# Altium PCB тройничок.PcbDoc (part 5 of 5)
Units mm, origin at the board's own origin, x right, y up, seen from the top; angles counter-clockwise.
Board outline 158.1 x 53.48 mm, 4 copper layers (Top Layer 1, Top Layer, Bottom Layer, Bottom Layer 1), stack 0.603 mm thick; 336 components, 130 nets, 2093 pads, 689 vias.
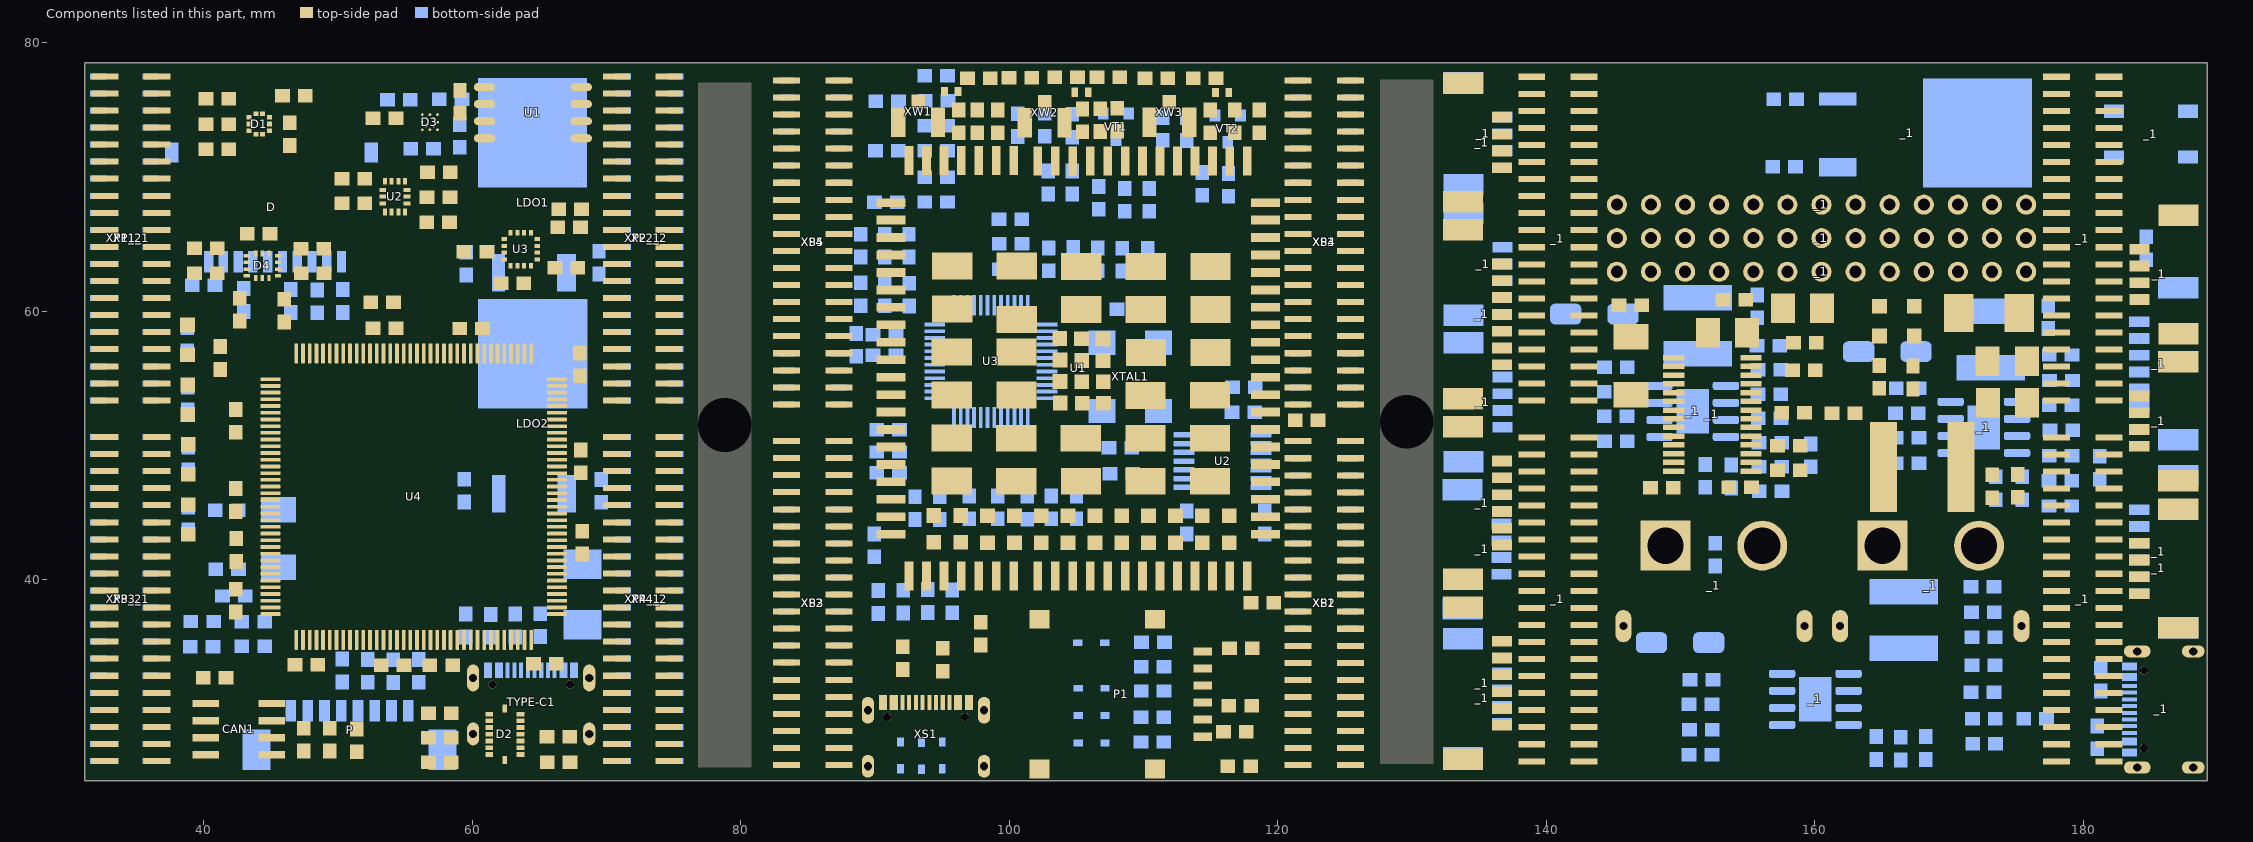
[diagram p7: the components of this part, seen from the top]

## Polygon pours and split planes (outlines as drawn) (continued)
no net on Bottom Layer 1 "NONET_L04_P050" (solid, remove dead copper, pour order 50): 169.025,58.725 169.225,58.525 176.5,58.525 176.5,59.55 176.6,59.65 180.275,59.65 180.275,61.55 180.2,61.625 169.05,61.625
no net on Bottom Layer 1 "NONET_L04_P049" (solid, remove dead copper, pour order 49): 174.075,52.625 174.15,52.7 176.55,52.7 176.55,57.975 176.475,58.05 165.675,58.05 165.675,55.6 165.625,55.55 165.65,55.525 167.025,55.525 167.025,53.6 167.075,53.55 168.8,53.55 168.8,54.125 168.825,54.15 173.85,54.15 173.85,52.725 173.8,52.675
no net on Bottom Layer 1 "NONET_L04_P048" (solid, remove dead copper, pour order 48): 156.675,47.3 156.7,47.275 156.7,45.85 152.15,45.85 152.15,45.15 159.325,45.15 159.325,47.3
no net on Bottom Layer 1 "NONET_L04_P046" (solid, remove dead copper, pour order 46): 150.25,47.75 150.25,45.2 150.225,45.175 150.25,45.15 152.825,45.15 152.825,47.75
no net on Bottom Layer 1 "NONET_L04_P045" (solid, remove dead copper, pour order 45): 148.325,62.175 148.4,62.1 148.4,59.4 148.6,59.6 154.75,59.6 154.75,60.35 154.775,60.375 154.8,60.35 156.25,60.35 156.25,62.152
no net on Bottom Layer 1 "NONET_L04_P044" (solid, remove dead copper, pour order 44): 143.5,61.275 143.325,61.1 143.325,57.55 145.15,57.55 145.25,57.45 145.25,55.1 152.25,55.1 152.275,55.125 152.3,55.1 152.3,53.875 154.75,53.875 154.75,58.65 154.426,59.15 148.15,59.15 148.15,61.15 148.125,61.175
GND on Bottom Layer 1 "GND_L04_P032" (solid, pour order 32): 76.141,25.185 31.241,25.185 31.241,78.185 31.341,78.085 76.141,78.085
NetTYPE-C1_2 on Bottom Layer 1 "NONET_L-01_P-001" (solid, remove dead copper, pour order 1): 66.412,34.362 66.412,39.262 66.4,39.275 66.425,39.3 70.125,39.3 70.125,34.45 70.125,33.975 70.1,34 66.9,34
5V on Bottom Layer 1 "NONET_L-01_P-001" (solid, remove dead copper, pour order 2): 70.125,39.8 70.125,46.625 68.625,46.625 68.625,48.5 65.475,48.5 65.5,48.475 65.5,39.8
NetTYPE-C1_2 on Bottom Layer 1 "NONET_L-01_P-001" (solid, remove dead copper, pour order 0): 61.6,34.35 61.6,31.025 67.25,31.025 67.25,34.375 66.4,34.375 66.425,34.35 66.425,33.1 62.375,33.1 62.375,34.35
5V on Bottom Layer 1 "NONET_L-01_P-001" (solid, remove dead copper, pour order 3): 66.075,64.85 66.075,61.5 68.75,61.5 68.75,49.725 65.525,49.725 65.525,47.9 66.125,48.5 70.125,48.5 70.125,63.5 68.025,63.5 68.025,64.85
3V3_SEN on Bottom Layer 1 "NONET_L-01_P-001" (solid, remove dead copper, pour order 4): 60.75,46.625 60.75,48.125 63.25,48.125 63.25,44.75 58.375,44.75 58.375,46.625
3V3 on Bottom Layer 1 "NONET_L-01_P-001" (solid, remove dead copper, pour order 5): 60.625,65 62.875,65 62.875,61.625 58.75,61.625 58.75,63.5 60.625,63.5
GND on Bottom Layer 1 "NONET_L-01_P-001" (solid, remove dead copper, shelved, pour order 28): 31.2,78.2 31.2,25.2 76.1,25.2 76.1,78.2
3V3 on Bottom Layer 1 "NONET_L-01_P-001" (solid, remove dead copper, pour order 6): 51.375,33.25 51.475,33.35 56.8,33.35 56.8,37.25 56.75,37.3 51.4,37.3
no net on Top Layer 1 "NONET_L01_P109" (solid, pour order 109): 82.066,78.124 126.841,78.124 126.841,25.324 126.741,25.224 81.916,25.224
no net on Top Layer 1 "NONET_L01_P105" (solid, pour order 105): 89.366,66.149 94.092,66.149 94.116,66.174 94.141,66.149 94.141,60.274 89.366,60.274
no net on Top Layer 1 "NONET_L-01_P-001" (solid, remove dead copper, pour order 89): 175.6,30.95 175.625,30.925 175.625,29.65 183.875,29.65 183.925,29.7 183.925,30.975
no net on Top Layer 1 "NONET_L01_P085" (solid, remove dead copper, pour order 85): 132.225,77.975 132.225,25.375 189.225,25.375 189.225,77.975 186.225,77.975 186.225,76.975 183.725,76.975 183.725,77.975
no net on Top Layer 1 "NONET_L01_P084" (solid, remove dead copper, pour order 84): 162.4,38.6 162.525,38.725 174.175,38.725 174.25,38.65 174.35,38.75 174.35,44.9 174.225,44.9 174.225,45.15 174.225,61.275 168.425,61.275 168.55,61.15 168.55,45.025 162.475,45.025 162.4,44.95
no net on Top Layer 1 "NONET_L01_P080" (solid, remove dead copper, pour order 80): 137.725,74.425 137.725,73.275 144.325,73.275 144.35,73.25 144.425,73.325 144.425,74.45
no net on Top Layer 1 "NONET_L01_P076" (solid, remove dead copper, pour order 76): 175.575,31.875 175.6,31.85 175.6,31.075 183.7,31.075 183.85,30.925 183.95,31.025 183.95,31.925
no net on Top Layer 1 "NONET_L01_P073" (solid, remove dead copper, pour order 73): 174.275,29.525 174.275,25.75 183.525,25.75 183.525,29.5 183.45,29.575
no net on Top Layer 1 "NONET_L01_P071" (solid, remove dead copper, pour order 71): 137.6,77.9 137.725,77.775 137.725,74.65 144.3,74.65 144.325,74.625 144.325,77.825
no net on Top Layer 1 "NONET_L01_P070" (solid, remove dead copper, pour order 70): 137.775,71.5 137.775,69.225 137.75,69.2 146.575,69.2 146.575,71.525 146.55,71.55
no net on Top Layer 1 "NONET_L01_P069" (solid, remove dead copper, pour order 69): 137.7,73 137.75,72.95 137.75,71.875 146.525,71.875 146.55,71.9 146.55,73.075
no net on Top Layer 1 "NONET_L01_P066" (solid, remove dead copper, pour order 66): 174.375,34.55 183.85,34.55 183.875,34.525 183.775,34.425 183.775,32.15 175.6,32.15 174.375,33.375
GND on Top Layer 1 "GND_L01_P030" (solid, pour order 30): 76.041,25.185 31.141,25.185 31.141,78.185 31.241,78.085 76.041,78.085
3V3 on Top Layer 1 "NONET_L-01_P-001" (solid, remove dead copper, pour order 9): 69.425,31.95 69.45,31.925 69.45,31.225 75.875,31.225 75.9,31.25 75.9,31.95
5V on Top Layer 1 "NONET_L-01_P-001" (solid, remove dead copper, pour order 8): 69.45,30.95 69.45,29.775 69.5,29.825 75.925,29.825 75.925,30.85
3V3 on Top Layer 1 "NONET_L-01_P-001" (solid, remove dead copper, pour order 13): 31.325,72.9 31.3,72.875 31.3,71.825 37.7,71.825 37.85,71.975 37.85,72.875
5V on Top Layer 1 "NONET_L-01_P-001" (solid, remove dead copper, pour order 12): 31.325,74.25 31.325,73.05 31.375,73.1 38,73.1 38,74.175 37.9,74.275
no net on Bottom Layer "NONET_L03_P108" (solid, pour order 108): 82.066,78.124 126.841,78.124 126.841,25.324 126.741,25.224 81.916,25.224
no net on Bottom Layer "NONET_L03_P106" (solid, pour order 106): 82.316,71.499 82.366,71.549 94.491,71.549 94.491,60.624 94.416,60.549 120.491,34.474 126.491,34.474 126.491,31.924 126.466,31.899 117.691,31.899 89.091,60.499 89.091,68.974 82.366,68.974 82.316,68.924
no net on Bottom Layer "NONET_L03_P088" (solid, remove dead copper, pour order 88): 132.225,77.975 132.225,25.375 189.225,25.375 189.225,77.975 186.225,77.975 186.225,76.975 183.725,76.975 183.725,77.975
no net on Bottom Layer "NONET_L03_P083" (solid, remove dead copper, pour order 83): 177,53.525 186.4,53.525 186.35,53.475 186.35,42.825 186.225,42.95 168.325,42.95 168.325,53.375 168.3,53.4
no net on Bottom Layer "NONET_L03_P078" (solid, remove dead copper, pour order 78): 137.3,70.625 139.725,70.625 142.45,70.625 142.45,33.65 142.55,33.55 142.75,33.75 167.6,33.75 167.6,25.65 167.675,25.575 137.49,25.575
no net on Bottom Layer "NONET_L03_P067" (solid, remove dead copper, pour order 67): 171.3,35.2 171.325,35.175 176.85,35.175 176.85,32.725 176.875,32.7 171.175,32.7
no net on Bottom Layer "NONET_L03_P058" (solid, remove dead copper, pour order 58): 163.275,40.175 161.075,40.175 161.075,25.55 172.775,25.55 172.775,40.15 172.876,40.251
no net on Bottom Layer "NONET_L03_P047" (solid, remove dead copper, pour order 47): 148.475,62.125 144.3,62.125 144.3,45.2 144.225,45.125 144.35,45 159.025,45 159.025,62.184
no net on Bottom Layer "NONET_L03_P043" (solid, remove dead copper, pour order 43): 180.55,44.575 180.125,45 169.05,45 169.05,64.125 169.075,64.15 168.975,64.25 144.125,64.25 144.125,66.775 143.975,66.925 144,66.95 180.75,66.95 180.825,66.875
GND on Bottom Layer "GND_L03_P035" (solid, pour order 35): 76.041,25.185 31.141,25.185 31.141,78.185 31.241,78.085 76.041,78.085
GND on Bottom Layer "GND_L03_P029" (solid, pour order 29): 76.1,25.2 31.2,25.2 31.2,78.2 31.3,78.1 76.1,78.1
5V on Bottom Layer "NONET_L-01_P-001" (solid, remove dead copper, pour order 17): 38.075,29.075 38.1,29.05 38.1,27.375 66.3,27.375 68.775,29.85 75.9,29.85 75.9,31.025 75.925,31.05 75.825,31.15 72.925,31.15 71.8,33.3 68.775,34.7 66.3,34.6 66.25,30.975 64.65,29.375 38.1,29.375
no net on Top Layer "NONET_L02_P110" (solid, pour order 110): 81.916,78.199 81.966,78.149 126.916,78.149 126.916,25.299 126.866,25.249 81.916,25.249
no net on Top Layer "NONET_L02_P086" (solid, remove dead copper, pour order 86): 132.225,77.975 132.225,25.375 189.225,25.375 189.225,77.975 186.225,77.975 186.225,76.975 183.725,76.975 183.725,77.975
no net on Top Layer "NONET_L02_P081" (solid, remove dead copper, pour order 81): 143.225,51.7 142.875,52.05 133.725,52.05 133.725,65.325 143.15,65.325
no net on Top Layer "NONET_L02_P079" (solid, remove dead copper, pour order 79): 161.375,71.45 161.35,71.425 161.35,68.3 169.754,68.3 170.025,68.571 170.025,72.45
no net on Top Layer "NONET_L02_P077" (solid, remove dead copper, pour order 77): 182.55,48.425 182.825,48.7 188.675,48.7 188.675,73.9 188.75,73.975 187,75.725 167.675,75.725 167.675,70.25 169.575,68.35 180.8,68.35 180.8,53.2
no net on Top Layer "NONET_L02_P075" (solid, remove dead copper, pour order 75): 167.275,72.375 167.45,72.55 186.675,72.55 186.675,70.875 167.25,70.875
no net on Top Layer "NONET_L02_P074" (solid, remove dead copper, pour order 74): 153.8,29.925 153.75,29.875 153.75,25.55 176.925,25.55 176.95,25.525 177.025,25.6 177.025,29.45 171.45,29.45 171.2,29.7 171.575,30.075 171.575,35.8 157.825,35.8 157.25,35.225
no net on Top Layer "NONET_L02_P072" (solid, remove dead copper, pour order 72): 139.1,77.45 139.1,74.675 139.025,74.6 161.275,74.6 161.375,74.5 161.375,71.45 167.775,71.45 167.825,71.4 167.825,77.375
no net on Top Layer "NONET_L02_P065" (solid, remove dead copper, pour order 65): 141.5,51.65 141.425,51.575 163.1,51.575 163.1,45.9 163.4,46.2 168.45,46.2 168.45,55.25 167.525,56.175 141.5,56.175
no net on Top Layer "NONET_L02_P060" (solid, remove dead copper, pour order 60): 176.725,49.45 176.95,49.225 176.95,34.775 158.725,34.775 158.725,26.525 151.95,26.525 151.825,26.65 151.9,26.725 151.9,34.95 156.225,34.95 156.6,35.325 156.6,40.225 165.55,40.225 165.575,40.2 166.225,40.85 166.225,48.475
no net on Top Layer "NONET_L02_P054" (solid, remove dead copper, pour order 54): 166.225,52.475 166.225,48.475 166.175,48.425 183.075,48.425 183.075,53.175 166.125,53.175
GND on Top Layer "GND_L02_P034" (solid, pour order 34): 76.041,25.185 31.141,25.185 31.141,78.185 31.241,78.085 76.041,78.085

## Silkscreen, mask and mechanical layers (free items; w line width, h text height)
Top Overlay:
  lines w0.254: 92.541,38.674 92.541,38.699 ; 114.941,35.699 114.941,35.724

## Text inside footprints (layer, text, board x,y; h text height)
TYPE-C1: Mechanical 13 "PCB EDGE" at 59.2,26.625 h0.61
XS1: Mechanical 13 "PCB EDGE" at 88.607,24.219 h0.61